# KiCad board MasterController.kicad_pcb (continued)
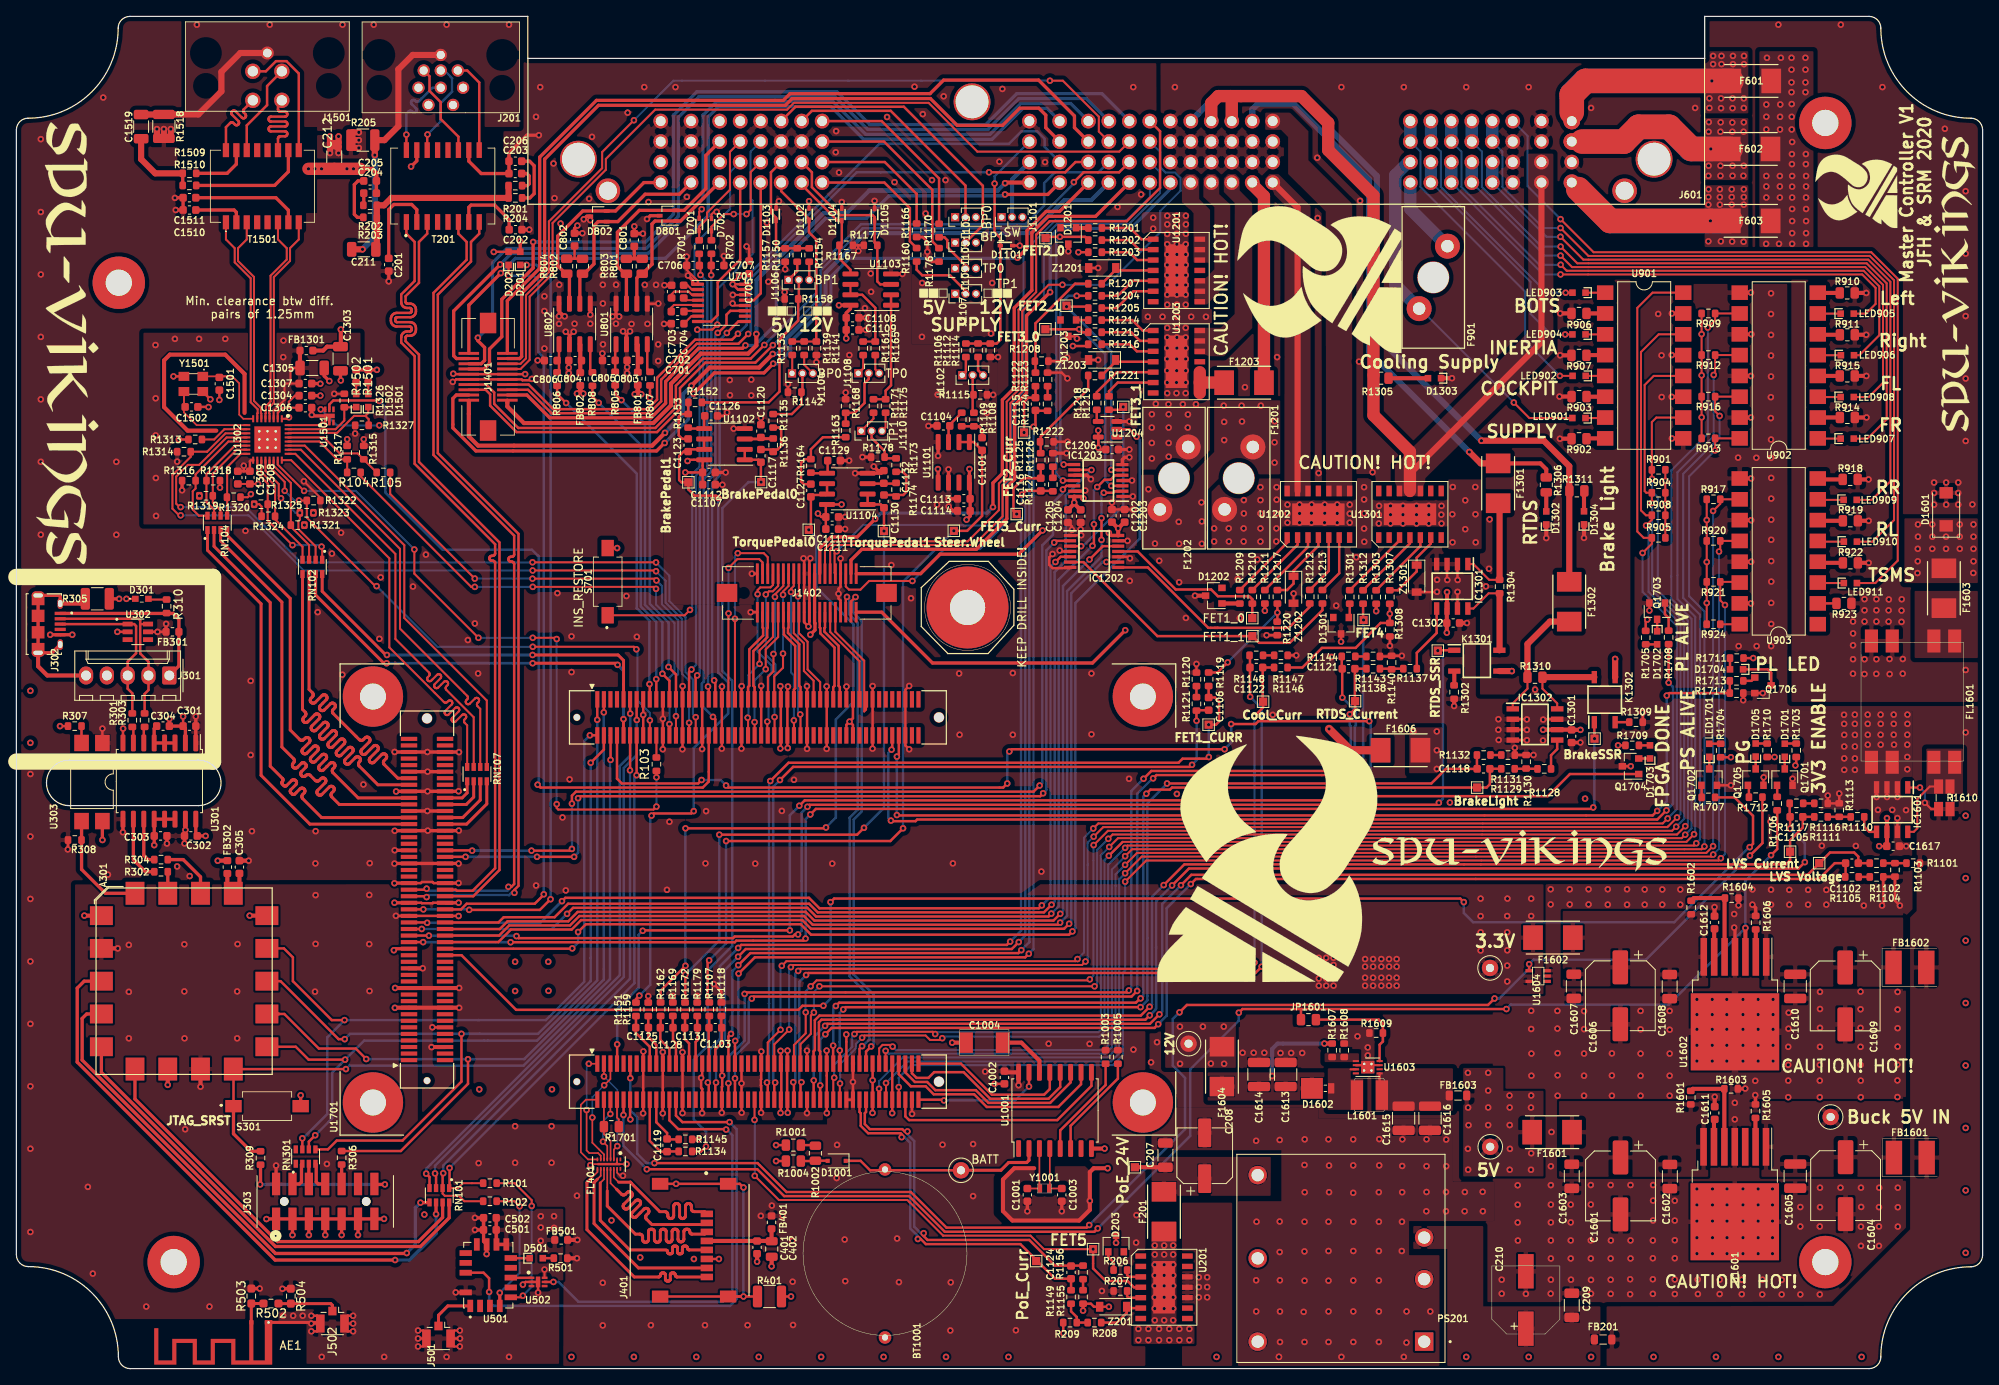
[diagram p0: board, top side]
## Placement (name value [footprint] x y rotation side) (continued)
R1147  420  [R_0603_1608Metric]  154.35 87.03 0 top
R1148  137  [R_0603_1608Metric]  151.34 87.03 0 top
R1149  137  [R_0603_1608Metric]  128.74 8.74 270 top
R1150  4.02k  [R_0603_1608Metric]  95.31 135.88 90 top
R1151  147  [R_0603_1608Metric]  75.62 43.84 90 top
R1152  8.66k  [R_0603_1608Metric]  82.85 117.9 0 top
R1153  8.66k  [R_0603_1608Metric]  82 115.65 90 top
R1154  11k  [R_0603_1608Metric]  96.77 135.88 90 top
R1155  2.94k  [R_0603_1608Metric]  130.2 8.75 270 top
R1156  137  [R_0603_1608Metric]  130.2 11.74 270 top
R1157  200k  [R_0603_1608Metric]  93.84 135.88 90 top
R1158  1k  [R_0603_1608Metric]  94.6 130.53 0 top
R1159  147  [R_0603_1608Metric]  77.12 43.84 90 top
R1160  2.1k  [R_0603_1608Metric]  109.88 135.91 270 top
R1161  4.02k  [R_0603_1608Metric]  103.36 124.5 90 top
R1162  147  [R_0603_1608Metric]  78.64 43.85 90 top
R1163  8.66k  [R_0603_1608Metric]  101.22 114.47 90 top
R1164  8.66k  [R_0603_1608Metric]  96.97 110.15 90 top
R1165  11k  [R_0603_1608Metric]  104.84 124.5 90 top
R1166  1.24k  [R_0603_1608Metric]  109.88 138.9 270 top
R1167  200k  [R_0603_1608Metric]  101.28 137.06 180 top
R1168  1k  [R_0603_1608Metric]  101.22 117.45 270 top
R1169  147  [R_0603_1608Metric]  80.12 43.85 90 top
R1170  1.24k  [R_0603_1608Metric]  112.62 138.88 270 top
R1171  4.02k  [R_0603_1608Metric]  104.62 117.46 90 top
R1172  147  [R_0603_1608Metric]  81.61 43.84 90 top
R1173  8.66k  [R_0603_1608Metric]  107.38 110.25 90 top
R1174  8.66k  [R_0603_1608Metric]  107.38 107.25 270 top
R1175  11k  [R_0603_1608Metric]  106.1 117.46 90 top
R1176  2.1k  [R_0603_1608Metric]  112.62 135.9 270 top
R1177  200k  [R_0603_1608Metric]  104.26 137.06 0 top
R1178  1k  [R_0603_1608Metric]  105.15 111.22 0 top
R1179  147  [R_0603_1608Metric]  83.11 43.84 90 top
R1201  33  [R_0603_1608Metric]  131.68 139.18 180 top
R1202  4.7k  [R_0603_1608Metric]  131.67 137.7 180 top
R1203  4.7k  [R_0603_1608Metric]  131.67 136.22 180 top
R1204  4.7k  [R_0603_1608Metric]  131.66 130.9 180 top
R1205  4.7k  [R_0603_1608Metric]  131.66 129.41 180 top
R1207  3.79k  [R_0603_1608Metric]  131.66 132.38 180 top
R1208  825  [R_0603_1608Metric]  125.14 122.93 0 top
R1209  33  [R_0603_1608Metric]  149.33 94.17 270 top
R1210  4.7k  [R_0603_1608Metric]  150.86 94.17 270 top
R1211  4.7k  [R_0603_1608Metric]  152.39 94.17 270 top
R1212  4.7k  [R_0603_1608Metric]  157.87 94.19 270 top
R1213  4.7k  [R_0603_1608Metric]  159.42 94.18 270 top
R1214  33  [R_0603_1608Metric]  131.66 127.94 180 top
R1215  4.7k  [R_0603_1608Metric]  131.66 126.46 180 top
R1216  4.7k  [R_0603_1608Metric]  131.65 124.99 180 top
R1217  9.42k  [R_0603_1608Metric]  153.92 94.17 270 top
R1218  4.7k  [R_0603_1608Metric]  131.87 117.82 270 top
R1219  4.7k  [R_0603_1608Metric]  133.36 117.82 270 top
R1220  2.05k  [R_0603_1608Metric]  153.9 90.31 270 top
R1221  3.79k  [R_0603_1608Metric]  131.65 121.18 180 top
R1222  825  [R_0603_1608Metric]  125.78 113.09 0 top
R1301  33  [R_0603_1608Metric]  162.75 94.16 270 top
R1302  270  [R_0603_1608Metric]  175.49 82.55 270 top
R1303  4.7k  [R_0603_1608Metric]  165.98 94.15 270 top
R1304  5.6  [R_0603_1608Metric]  181.04 95.42 90 top
R1305  4.12k  [R_0805_2012Metric]  166.57 120.85 0 top
R1306  4.12k  [R_0805_2012Metric]  186.74 107.84 270 top
R1307  2.37k  [R_0603_1608Metric]  167.64 94.15 270 top
R1308  510  [R_0603_1608Metric]  167.65 90.16 270 top
R1309  270  [R_0603_1608Metric]  197.69 78.88 0 top
R1310  0.75  [R_0805_2012Metric]  185.36 84.36 180 top
R1311  4.12k  [R_0805_2012Metric]  190.47 107.1 0 top
R1312  4.7k  [R_0603_1608Metric]  164.38 94.16 270 top
R1313  6.49k  [R_0603_1608Metric]  21.83 113.38 180 top
R1314  4.7k  [R_0603_1608Metric]  20.45 111.88 0 top
R1315  1k  [R_0603_1608Metric]  42.4 111.78 270 top
R1316  4.7k  [R_0603_1608Metric]  21.05 108.35 0 top
R1317  1k  [R_0603_1608Metric]  40.38 111.78 270 top
R1318  1k  [R_0603_1608Metric]  24.02 108.35 180 top
R1319  1k  [R_0603_1608Metric]  23.15 106.5 0 top
R1320  1k  [R_0603_1608Metric]  26.53 106.33 180 top
R1321  1k  [R_0603_1608Metric]  34.33 102.92 180 top
R1322  4.7k  [R_0603_1608Metric]  36.27 105.92 180 top
R1323  1k  [R_0603_1608Metric]  35.42 104.42 180 top
R1324  1k  [R_0603_1608Metric]  30.75 104 0 top
R1325  1k  [R_0603_1608Metric]  29.85 105.47 0 top
R1326  4.7k  [R_0603_1608Metric]  40.03 118.12 270 top
R1327  4.7k  [R_0603_1608Metric]  42.17 115.1 0 top
R1501  300  [C_0603_1608Metric]  41.47 121.1 270 top
R1502  300  [C_0603_1608Metric]  42.95 121.1 90 top
R1509  75  [R_0603_1608Metric]  21.12 145.85 180 top
R1510  75  [R_0603_1608Metric]  21.12 144.38 180 top
R1518  0  [R_1210_3225Metric]  18 151.57 90 top
R1601  11.3k  [R_0603_1608Metric]  204.38 33.06 90 top
R1602  10.7k  [R_0603_1608Metric]  204.43 56.26 90 top
R1603  2.15k  [R_0603_1608Metric]  209.3 34.14 0 top
R1604  3.4k  [R_0603_1608Metric]  209.38 57.42 0 top
R1605  1k  [R_0603_1608Metric]  212.28 31.41 90 top
R1606  1k  [R_0603_1608Metric]  212.3 54.41 90 top
R1607  1.65M  [R_0603_1608Metric]  160.6 38.84 270 top
R1608  187k  [R_0603_1608Metric]  162.07 38.84 90 top
R1609  1k  [R_0603_1608Metric]  165.97 40.95 180 top
R1610  0.01  [R_Shunt_Ohmite_LVK12]  235.32 69.65 180 top
R1701  0  [R_0805_2012Metric]  72.62 29.53 0 top
R1703  300  [R_0603_1608Metric]  217.25 75.45 90 top
R1704  300  [R_0603_1608Metric]  208.03 75.42 90 top
R1705  300  [R_0603_1608Metric]  198.88 89.2 270 top
R1706  100k  [R_0603_1608Metric]  214.93 68.95 270 top
R1707  50k  [R_0603_1608Metric]  206.53 69.7 0 top
R1708  100k  [R_0603_1608Metric]  201.68 89.22 270 top
R1709  420  [R_0603_1608Metric]  197.22 76.05 0 top
R1710  300  [R_0603_1608Metric]  213.7 75.45 90 top
R1711  300  [R_0603_1608Metric]  209.99 86.7 180 top
R1712  100k  [R_0603_1608Metric]  212.3 69.72 0 top
R1713  1k  [R_0603_1608Metric]  209.97 83.92 180 top
R1714  10k  [R_0603_1608Metric]  209.97 82.42 180 top
REF**  Fibox_255x180x63mm_enclosure  [Fibox_255x180x63mm_enclosure_shadow]  120 82.5 0 top
REF**#2  -  [MountingHole_4.3mm_M4_Large_Pad]  116.1 92.88 180 top
REF**#3  -  [MountingHole_3.2mm_M3_Pad]  220.8 13 270 top
REF**#4  -  [MountingHole_3.2mm_M3_Pad]  220.8 152 0 top
REF**#5  -  [MountingHole_3.2mm_M3_Pad]  19.2 13 0 top
REF**#6  -  [MountingHole_3.2mm_M3_Pad]  12.5 132.5 0 top
RN101  CAY16-000J4LF  [RESCAF80P320X160X60-8N]  51.62 21.15 270 top
RN102  CAY16-330J4LF  [RESCAF80P320X160X60-8N]  36.12 97.83 270 top
RN104  CAY16-330J4LF  [RESCAF80P320X160X60-8N]  24.52 103.2 90 top
RN107  CAY16-330J4LF  [RESCAF80P320X160X60-8N]  56.22 72.54 90 top
RN301  CAY16-101J4LF  [RESCAF80P320X160X60-8N]  35.3 25.88 90 top
S301  PTS636  [PTS636SK43SMTRLFS]  30.6 32.03 0 top
S701  PTS636  [PTS636SK43SMTRLFS]  72.17 96.03 90 top
T201  -  [Wurth_7490120110]  52.05 144.3 0 top
T1501  -  [Wurth_7490100111A]  30.02 144.12 0 top
TP201  TestPoint  [TestPoint_Pad_1.0x1.0mm]  136.53 24.57 90 top
TP202  TestPoint  [TestPoint_Pad_1.0x1.0mm]  131.43 14.57 90 top
TP1001  TestPoint  [TestPoint_Loop_D1.80mm_Drill1.0mm_Beaded]  115.3 24.2 180 top
TP1101  TestPoint  [TestPoint_Pad_1.0x1.0mm]  220.05 61.67 0 top
TP1102  TestPoint  [TestPoint_Pad_1.0x1.0mm]  114.43 102.22 180 top
TP1103  TestPoint  [TestPoint_Pad_1.0x1.0mm]  216.5 63.08 180 top
TP1104  TestPoint  [TestPoint_Pad_1.0x1.0mm]  145.53 78.58 180 top
TP1105  TestPoint  [TestPoint_Pad_1.0x1.0mm]  123 114.22 90 top
TP1106  TestPoint  [TestPoint_Pad_1.0x1.0mm]  122.1 104.28 90 top
TP1107  TestPoint  [TestPoint_Pad_1.0x1.0mm]  178.3 70.9 90 top
TP1108  TestPoint  [TestPoint_Pad_1.0x1.0mm]  90.9 108.17 270 top
TP1109  TestPoint  [TestPoint_Pad_1.0x1.0mm]  163.4 81.45 180 top
TP1110  TestPoint  [TestPoint_Pad_1.0x1.0mm]  152.18 81.38 180 top
TP1111  TestPoint  [TestPoint_Pad_1.0x1.0mm]  124.47 13.12 90 top
TP1112  TestPoint  [TestPoint_Pad_1.0x1.0mm]  82.03 108.15 180 top
TP1113  TestPoint  [TestPoint_Pad_1.0x1.0mm]  96.72 102.35 90 top
TP1114  TestPoint  [TestPoint_Pad_1.0x1.0mm]  105.9 102.2 180 top
TP1201  TestPoint  [TestPoint_Pad_1.0x1.0mm]  125.62 137.95 270 top
TP1202  TestPoint  [TestPoint_Pad_1.0x1.0mm]  128.18 129.7 0 top
TP1203  TestPoint  [TestPoint_Pad_1.0x1.0mm]  150.85 91.58 180 top
TP1204  TestPoint  [TestPoint_Pad_1.0x1.0mm]  150.86 89.38 180 top
TP1205  TestPoint  [TestPoint_Pad_1.0x1.0mm]  125.6 126.83 180 top
TP1206  TestPoint  [TestPoint_Pad_1.0x1.0mm]  135.1 117.35 90 top
TP1301  TestPoint  [TestPoint_Pad_1.0x1.0mm]  173.5 87.61 0 top
TP1302  TestPoint  [TestPoint_Pad_1.0x1.0mm]  164.44 91.35 180 top
TP1303  TestPoint  [TestPoint_Pad_1.0x1.0mm]  192.63 76.87 270 top
TP1601  TestPoint  [TestPoint_Loop_D1.80mm_Drill1.0mm_Beaded]  221.45 30.7 180 top
TP1602  TestPoint  [TestPoint_Loop_D1.80mm_Drill1.0mm_Beaded]  179.9 27.06 270 top
TP1603  TestPoint  [TestPoint_Loop_D1.80mm_Drill1.0mm_Beaded]  179.88 48.89 180 top
TP1604  TestPoint  [TestPoint_Loop_D1.80mm_Drill1.0mm_Beaded]  143.07 39.65 270 top
U201  BTT6010-1EKB  [PG-DSO-14-47]  140.09 9.93 270 top
U301  ADUM3160  [SOIC-16W_7.5x10.3mm_P1.27mm]  17.45 71.69 270 top
U302  PRTR5V0U4D  [SOP95P275X110-6N]  14.83 89.9 0 top
U303  LTV-817S  [SMDIP-4_W9.53mm]  9.23 71.58 270 top
U501  RN4871U-V_RM118  [RN4871U]  60.6 15.4 180 top
U502  -  [MIC826TYMT-TR]  63.67 10.57 0 top
U701  SN65C3221  [TSSOP-16_4.4x5mm_P0.65mm]  86.06 130.05 0 top
U801  SN65HVD235  [SOIC-8_3.9x4.9mm_P1.27mm]  75.1 127.47 90 top
U802  SN65HVD235  [SOIC-8_3.9x4.9mm_P1.27mm]  68.14 127.47 90 top
U901  LTV-847S  [SMDIP-16_W9.53mm]  198.69 122.4 0 top
U902  LTV-847S  [SMDIP-16_W9.53mm]  215.12 122.4 180 top
U903  LTV-847S  [SMDIP-16_W9.53mm]  215.12 99.72 180 top
U1001  CY14B256PA  [SOIC-16W_7.5x10.3mm_P1.27mm]  126.78 31.5 90 top
U1101  MCP6L02x-xSN  [SOIC-8_3.9x4.9mm_P1.27mm]  114.41 110.58 270 top
U1102  MCP6L02x-xSN  [SOIC-8_3.9x4.9mm_P1.27mm]  86.43 112.8 180 top
U1103  MCP6L02x-xSN  [SOIC-8_3.9x4.9mm_P1.27mm]  104.28 131.67 180 top
U1104  MCP6L02x-xSN  [SOIC-8_3.9x4.9mm_P1.27mm]  101.43 107.35 180 top
U1201  BTT6030-2EKA  [PG-DSO-14-40]  141.6 134 270 top
U1202  BTT6030-2EKA  [PG-DSO-14-40]  158.93 104.25 0 top
U1203  BTT6030-2EKA  [PG-DSO-14-40]  141.6 122.86 270 top
U1204  SN74LV1T34DBV  [SOT-23-5]  133.19 114.62 180 top
U1301  BTT6010-1EKB  [PG-DSO-14-47]  170.1 104.25 0 top
U1302  -  [KSZ8081MNX]  30.65 113.38 270 top
U1501  -  [MIC826TYMT-TR]  38.2 116.25 90 top
U1601  Wurth_171050601  [TO-263-7_TabPin8]  209.75 21.29 270 top
U1602  Wurth_171050601  [TO-263-7_TabPin8]  209.78 44.47 270 top
U1603  MCP1663  [TDFN-8-1EP_3x2mm_P0.5mm_EP1.80x1.65mm_ThermalVias]  164.95 36.78 0 top
U1604  LMS33460  [SC70-5]  184.65 47.25 270 top
U1701  PicoZed_7020  [PicoZed_7010-7020_Complete]  90.51 57.24 90 top
Y1001  32.768 kHz  [Crystal_SMD_Fox_FK161]  125.5 21.97 0 top
Y1501  ECS-250-18-33B-CKY-TR  [ECS-250-18-33B-CKY]  21.6 120.15 180 top
Z201  MMSZ5V6T3G  [D_SOD-123]  133.88 7.55 180 top
Z1201  MMSZ5V6T3G  [D_SOD-123]  132.54 134.3 180 top
Z1202  MMSZ5V6T3G  [D_SOD-123]  155.89 95.04 270 top
Z1203  MMSZ5V6T3G  [D_SOD-123]  132.52 123.08 180 top
Z1301  MMSZ5V6T3G  [D_SOD-123]  170.92 96.4 270 top

## Footprints (pads in the part's own frame, mm; a bottom-side part is the same pattern mirrored in y, then rotated)
150060SS55040
  rect 0.8x0.75 smd: 1(-0.8,0) 2(0.8,0)
Amphenol_10118194-0001LF
  rect 0.4x1.35 smd: 1(-1.3,2.7) 2(-0.65,2.7) 3(0,2.7) 4(0.65,2.7) 5(1.3,2.7)
  oval 0.775x1.55 hole 0.5x1.15: S1(-3.5,0) S1(3.5,0)
  oval 1.3x0.65 hole 0.85x0.55: S1(-2.5,2.7) S1(2.5,2.7)
  rect 1.5x1.55 smd: S1(-1,0) S1(1,0)
Battery_VL2020_20x3.2mm
  round 1.524 hole 0.762: 1(-10.25,0) 2(10.25,0)
C_0603_1608Metric
  rrect 0.9x0.95 smd: 1(-0.775,0) 2(0.775,0)
C_0805_2012Metric
  rrect 1x1.45 smd: 1(-0.95,0) 2(0.95,0)
C_1206_3216Metric
  rrect 1.15x1.8 smd: 1(-1.475,0) 2(1.475,0)
C_1210_3225Metric
  rrect 1.15x2.7 smd: 1(-1.475,0) 2(1.475,0)
C_2312_6032-28_Metric
  rect 1.7x2.5 smd: 1(-2.25,0) 2(2.25,0)
CP_Elec_8x11.9
  rrect 4.15x1.9 smd: 1(-3.475,0) 2(3.475,0)
CP_Elec_Wurth_WCAP-ASLL_8.3x8.3mm
  rect 4.2x1.9 smd: 1(-3.5,0) 2(3.5,0)
CP_Elec_Wurth_WCAP-PSLP_6.6x6.6mm
  rrect 3.5x1.6 smd: 1(-2.8,0) 2(2.8,0)
CPC1017N
  rect 1.5x0.65 smd: 1(-2.75,1.27) 2(-2.75,-1.27) 3(2.75,-1.27) 4(2.75,1.27)
Crystal_SMD_Fox_FK161
  rect 0.5x1 smd: 1(-0.55,0) 2(0.55,0)
CUI_PDQE15-Q24-S24-D
  rect 2.25x2.25 hole 1.5: 1(-10.16,10.16)
  round 2.25 hole 1.5: 2(-10.16,2.54) 3(-10.16,-2.54) 4(10.16,-10.16) 5(10.16,0) 6(10.16,10.16)
D_Powermite_AK
  rect 2.67x2.54 smd: 1(-0.699,0)
  rect 0.762x1.27 smd: 2(1.653,0)
D_SMA_Small-Pads
  rect 1.4x1.64 smd: 1(-2.015,0) 2(2.015,0)
D_SOD-123
  rect 0.9x1.2 smd: 1(-1.65,0) 2(1.65,0)
D_SOD-323F
  rect 0.5x0.5 smd: 1(-1.1,0) 2(1.1,0)
ECS-250-18-33B-CKY
  rect 1.3x1.1 smd: 1(-1.15,-0.925) 2(1.15,-0.925) 3(1.15,0.925) 4(-1.15,0.925)
JTAG-SMT3-NC
  rect 2.3x2.8 smd: 1(-8,-10.1) 2(-4,-10.1) 3(0,-10.1) 4(4,-10.1) 5(8,-10.1) 10(8,10.1) 11(4,10.1) 12(0,10.1) 13(-4,10.1) 14(-8,10.1)
  rect 2.8x2.3 smd: 6(10.725,-6) 7(10.725,-2) 8(10.725,2) 9(10.725,6) 15(-10.725,6) 16(-10.725,2) 17(-10.725,-2) 18(-10.725,-6)
KSZ8081MNX
  rect 0.85x0.25 smd: 1(-2.525,1.75) 2(-2.525,1.25) 3(-2.525,0.75) 4(-2.525,0.25) 5(-2.525,-0.25) 6(-2.525,-0.75) 7(-2.525,-1.25) 8(-2.525,-1.75) 17(2.525,-1.75) 18(2.525,-1.25) 19(2.525,-0.75) 20(2.525,-0.25) 21(2.525,0.25) 22(2.525,0.75) 23(2.525,1.25) 24(2.525,1.75)
  rect 0.25x0.85 smd: 9(-1.75,-2.525) 10(-1.25,-2.525) 11(-0.75,-2.525) 12(-0.25,-2.525) 13(0.25,-2.525) 14(0.75,-2.525) 15(1.25,-2.525) 16(1.75,-2.525) 25(1.75,2.525) 26(1.25,2.525) 27(0.75,2.525) 28(0.25,2.525) 29(-0.25,2.525) 30(-0.75,2.525) 31(-1.25,2.525) 32(-1.75,2.525)
  round 0.5 hole 0.3: 33(-1,1) 33(-1,0) 33(-1,-1) 33(0,1) 33(0,0) 33(0,-1) 33(1,1) 33(1,0) 33(1,-1)
  rect 3.2x3.2 smd: 33(0,0)
L_0603_1608Metric
  rrect 0.875x0.95 smd: 1(-0.787,0) 2(0.787,0)
L_0805_2012Metric
  rrect 0.875x1.2 smd: 1(-1.062,0) 2(1.062,0)
LittelfuseMiniBlade01530008Z
  round 3.9 hole 3.785: (0,0)
  round 3.048 hole 1.524: 1(-3.81,1.727) 2(3.81,-1.727)
Littlefuse_Nano_Clip
  rect 2.4x3 smd: 1(-2.43,0) 2(2.43,0)
MIC826TYMT-TR
  rect 0.7x0.3 smd: 1(-0.8,0.5) 2(-0.8,0) 3(-0.8,-0.5) 4(0.8,-0.5) 5(0.8,0) 6(0.8,0.5)
  rect 0.55x1.31 smd: 7(0,0)
Molex-47219-2001-0
  rect 0.8x1.5 smd: 1(3.205,-2.1) 2(2.105,-2.1) 3(1.005,-2.1) 4(-0.095,-2.1) 5(-1.195,-2.1) 6(-2.295,-2.1) 7(-3.395,-2.1) 8(-4.495,-2.1)
  rect 1.45x2 smd: S(-6.875,3.6) S(-6.875,-4.7) S(6.875,3.6) S(6.875,-4.7)
MOLEX_87832-1420
  round 1.05 hole 1.05 unplated: (0,5) (0,-5)
  rect 2.75x1 smd: 1(-2.13,6) 2(2.13,6) 3(-2.13,4) 4(2.13,4) 5(-2.13,2) 6(2.13,2) 7(-2.13,0) 8(2.13,0) 9(-2.13,-2) 10(2.13,-2) 11(-2.13,-4) 12(2.13,-4) 13(-2.13,-6) 14(2.13,-6)
Molex_528850274
  round 0.001 hole 0.95 unplated: (-4.51,0) (4.51,0)
  rect 0.35x2.5 smd: 1(-2.857,-2.35) 2(-2.857,2.35) 3(-2.223,-2.35) 4(-2.223,2.35) 5(-1.587,-2.35) 6(-1.587,2.35) 7(-0.952,-2.35) 8(-0.952,2.35) 9(-0.317,-2.35) 10(-0.317,2.35) 11(0.317,-2.35) 12(0.317,2.35) 13(0.953,-2.35) 14(0.953,2.35) 15(1.588,-2.35) 16(1.588,2.35) 17(2.223,-2.35) 18(2.223,2.35) 19(2.857,-2.35) 20(2.857,2.35)
  rect 2.5x2 smd: MP1(-6.56,0) MP2(6.56,0)
Molex_528850474
  round 0.001 hole 0.95 unplated: (-7.685,0)
  round 0.001 hole 0.75 unplated: (7.685,0)
  rect 0.35x2.5 smd: 1(-6.033,-2.35) 2(-6.033,2.35) 3(-5.398,-2.35) 4(-5.398,2.35) 5(-4.763,-2.35) 6(-4.763,2.35) 7(-4.128,-2.35) 8(-4.128,2.35) 9(-3.492,-2.35) 10(-3.492,2.35) 11(-2.858,-2.35) 12(-2.858,2.35) 13(-2.223,-2.35) 14(-2.223,2.35) 15(-1.588,-2.35) 16(-1.588,2.35) 17(-0.953,-2.35) 18(-0.953,2.35) 19(-0.318,-2.35) 20(-0.318,2.35) 21(0.317,-2.35) 22(0.317,2.35) 23(0.953,-2.35) 24(0.953,2.35) 25(1.587,-2.35) 26(1.587,2.35) 27(2.223,-2.35) 28(2.223,2.35) 29(2.857,-2.35) 30(2.857,2.35) 31(3.492,-2.35) 32(3.492,2.35) 33(4.127,-2.35) 34(4.127,2.35) 35(4.762,-2.35) 36(4.762,2.35) 37(5.397,-2.35) 38(5.397,2.35) 39(6.032,-2.35) 40(6.032,2.35)
  rect 2.5x2.2 smd: MP1(-9.735,0) MP2(9.735,0)
Molex_CMC_643330100_32+48+32pin
  round 4.5 hole 4 unplated: (-10.05,-2.85) (73.2,-9.85) (121.25,-2.85)
  round 3 hole 2.2 unplated: (-6.45,1) (117.65,1)
  round 1.8 hole 1.2: 1-A1(19.7,-7.5) 1-A2(19.7,-5) 1-A3(19.7,-2.5) 1-A4(19.7,0) 1-B1(17.2,-7.5) 1-B2(17.2,-5) 1-B3(17.2,-2.5) 1-B4(17.2,0) 1-C1(14.7,-7.5) 1-C2(14.7,-5) 1-C3(14.7,-2.5) 1-C4(14.7,0) 1-D1(12.2,-7.5) 1-D2(12.2,-5) 1-D3(12.2,-2.5) 1-D4(12.2,0) 1-E1(9.7,-7.5) 1-E2(9.7,-5) 1-E3(9.7,-2.5) 1-E4(9.7,0) 1-F1(7.2,-7.5) 1-F2(7.2,-5) 1-F3(7.2,-2.5) 1-F4(7.2,0) 1-G1(3.7,-7.5) 1-G2(3.7,-5) 1-G3(3.7,-2.5) 1-G4(3.7,0) 1-H1(0,-7.5) 1-H2(0,-5) 1-H3(0,-2.5) 1-H4(0,0) 2-A1(36.5,0) 2-A2(36.5,-2.5) 2-A3(36.5,-5) 2-A4(36.5,-7.5) 2-B1(39,0) 2-B2(39,-2.5) 2-B3(39,-5) 2-B4(39,-7.5) 2-C1(41.5,0) 2-C2(41.5,-2.5) 2-C3(41.5,-5) 2-C4(41.5,-7.5) 2-D1(44,0) 2-D2(44,-2.5) 2-D3(44,-5) 2-D4(44,-7.5) 2-E1(46.5,0) 2-E2(46.5,-2.5) 2-E3(46.5,-5) 2-E4(46.5,-7.5) 2-F1(49,0) 2-F2(49,-2.5) 2-F3(49,-5) 2-F4(49,-7.5) 2-G1(51.5,0) 2-G2(51.5,-2.5) 2-G3(51.5,-5) 2-G4(51.5,-7.5) 2-H1(54,0) 2-H2(54,-2.5) 2-H3(54,-5) 2-H4(54,-7.5) 2-J1(56.5,0) 2-J2(56.5,-2.5) 2-J3(56.5,-5) 2-J4(56.5,-7.5) 2-K1(59,0) 2-K2(59,-2.5) 2-K3(59,-5) 2-K4(59,-7.5) 2-L1(62.5,0) 2-L2(62.5,-2.5) 2-L3(62.5,-5) 2-L4(62.5,-7.5) 2-M1(66.2,0) 2-M2(66.2,-2.5) 2-M3(66.2,-5) 2-M4(66.2,-7.5) 3-A1(91.5,0) 3-A2(91.5,-2.5) 3-A3(91.5,-5) 3-A4(91.5,-7.5) 3-B1(94,0) 3-B2(94,-2.5) 3-B3(94,-5) 3-B4(94,-7.5) 3-C1(96.5,0) 3-C2(96.5,-2.5) 3-C3(96.5,-5) 3-C4(96.5,-7.5) 3-D1(99,0) 3-D2(99,-2.5) 3-D3(99,-5) 3-D4(99,-7.5) 3-E1(101.5,0) 3-E2(101.5,-2.5) 3-E3(101.5,-5) 3-E4(101.5,-7.5) 3-F1(104,0) 3-F2(104,-2.5) 3-F3(104,-5) 3-F4(104,-7.5) 3-G1(107.5,0) 3-G2(107.5,-2.5) 3-G3(107.5,-5) 3-G4(107.5,-7.5) 3-H1(111.2,0) 3-H2(111.2,-2.5) 3-H3(111.2,-5) 3-H4(111.2,-7.5)
MountingHole_3.2mm_M3_Pad
  round 6.4 hole 3.2: 1(0,0)
MountingHole_4.3mm_M4_Large_Pad
  round 10 hole 4.3: 1(0,0)
PG-DSO-14-40
  rect 2.9x1.025 smd: (-1.65,0.713) (-1.65,-0.713) (1.65,0.713) (1.65,-0.713)
  rect 0.65x1.31 smd: 1(-3.81,-2.845) 2(-2.54,-2.845) 3(-1.27,-2.845) 4(0,-2.845) 5(1.27,-2.845) 6(2.54,-2.845) 7(3.81,-2.845) 8(3.81,2.845) 9(2.54,2.845) 10(1.27,2.845) 11(0,2.845) 12(-1.27,2.845) 13(-2.54,2.845) 14(-3.81,2.845)
  rect 6.4x2.65 smd: Cool.Tab(0,0)
PG-DSO-14-47
  rect 2.9x1.025 smd: (-1.65,0.713) (-1.65,-0.713) (1.65,0.713) (1.65,-0.713)
  rect 0.65x1.31 smd: 1(-3.81,-2.845) 2(-2.54,-2.845) 3(-1.27,-2.845) 4(0,-2.845) 5(1.27,-2.845) 6(2.54,-2.845) 7(3.81,-2.845) 8(3.81,2.845) 9(2.54,2.845) 10(1.27,2.845) 11(0,2.845) 12(-1.27,2.845) 13(-2.54,2.845) 14(-3.81,2.845)
  rect 6.4x2.65 smd: Cool.Tab(0,0)
Phoenix_1432457_M12_4pin_D_Female_Angled
  round 0.001 hole 2.1 unplated: (-5.73,-1.77) (9.27,-1.77)
  round 0.001 hole 2.85 unplated: (-5.73,-5.77) (9.27,-5.77)
  round 1.875 hole 1.25: 1(0,0) 2(3.54,0) 3(3.54,-3.54) 4(0,-3.54)
  round 1.575 hole 1.05: 5(1.77,-5.77)
Phoenix_1437009_M12_8pin_A_Female_Angled
  round 0.001 hole 2.1 unplated: (-6,-2.1) (9,-2.1)
  round 0.001 hole 2.85 unplated: (-6,-6.1) (9,-6.1)
  round 1.5 hole 1: 1(0,0) 2(3,0) 3(4.22,-2.1) 4(3.58,-4.2) 5(1.5,-4.2) 6(-0.58,-4.2) 7(-1.22,-2.1) 8(1.5,-2.1) 9(1.5,-6.1)
PicoZed_7010-7020_Complete
  round 7.366 hole 3.175 unplated: (-24.765,46.99) (-24.765,-46.99) (24.765,46.99) (24.765,-46.99)
  round 0.9 hole 0.8 unplated: (-22.225,22.1) (-22.1,40.386) (22.225,22.1)
  round 1.3 hole 1.2 unplated: (-22.225,-22.1) (22.1,40.386) (22.225,-22.1)
  rect 2x0.5 smd: JX1.1(24.425,19.6) JX1.2(20.025,19.6) JX1.3(24.425,18.8) JX1.4(20.025,18.8) JX1.5(24.425,18) JX1.6(20.025,18) JX1.7(24.425,17.2) JX1.8(20.025,17.2) JX1.9(24.425,16.4) JX1.10(20.025,16.4) JX1.11(24.425,15.6) JX1.12(20.025,15.6) JX1.13(24.425,14.8) JX1.14(20.025,14.8) JX1.15(24.425,14) JX1.16(20.025,14) JX1.17(24.425,13.2) JX1.18(20.025,13.2) JX1.19(24.425,12.4) JX1.20(20.025,12.4) JX1.21(24.425,11.6) JX1.22(20.025,11.6) JX1.23(24.425,10.8) JX1.24(20.025,10.8) JX1.25(24.425,10) JX1.26(20.025,10) JX1.27(24.425,9.2) JX1.28(20.025,9.2) JX1.29(24.425,8.4) JX1.30(20.025,8.4) JX1.31(24.425,7.6) JX1.32(20.025,7.6) JX1.33(24.425,6.8) JX1.34(20.025,6.8) JX1.35(24.425,6) JX1.36(20.025,6) JX1.37(24.425,5.2) JX1.38(20.025,5.2) JX1.39(24.425,4.4) JX1.40(20.025,4.4) JX1.41(24.425,3.6) JX1.42(20.025,3.6) JX1.43(24.425,2.8) JX1.44(20.025,2.8) JX1.45(24.425,2) JX1.46(20.025,2) JX1.47(24.425,1.2) JX1.48(20.025,1.2) JX1.49(24.425,0.4) JX1.50(20.025,0.4) JX1.51(24.425,-0.4) JX1.52(20.025,-0.4) JX1.53(24.425,-1.2) JX1.54(20.025,-1.2) JX1.55(24.425,-2) JX1.56(20.025,-2) JX1.57(24.425,-2.8) JX1.58(20.025,-2.8) JX1.59(24.425,-3.6) JX1.60(20.025,-3.6) JX1.61(24.425,-4.4) JX1.62(20.025,-4.4) JX1.63(24.425,-5.2) JX1.64(20.025,-5.2) JX1.65(24.425,-6) JX1.66(20.025,-6) JX1.67(24.425,-6.8) JX1.68(20.025,-6.8) JX1.69(24.425,-7.6) JX1.70(20.025,-7.6) JX1.71(24.425,-8.4) JX1.72(20.025,-8.4) JX1.73(24.425,-9.2) JX1.74(20.025,-9.2) JX1.75(24.425,-10) JX1.76(20.025,-10) JX1.77(24.425,-10.8) JX1.78(20.025,-10.8) JX1.79(24.425,-11.6) JX1.80(20.025,-11.6) JX1.81(24.425,-12.4) JX1.82(20.025,-12.4) JX1.83(24.425,-13.2) JX1.84(20.025,-13.2) JX1.85(24.425,-14) JX1.86(20.025,-14) JX1.87(24.425,-14.8) JX1.88(20.025,-14.8) JX1.89(24.425,-15.6) JX1.90(20.025,-15.6) JX1.91(24.425,-16.4) JX1.92(20.025,-16.4) JX1.93(24.425,-17.2) JX1.94(20.025,-17.2) JX1.95(24.425,-18) JX1.96(20.025,-18) JX1.97(24.425,-18.8) JX1.98(20.025,-18.8) JX1.99(24.425,-19.6) JX1.100(20.025,-19.6) JX2.1(-20.025,19.6) JX2.2(-24.425,19.6) JX2.3(-20.025,18.8) JX2.4(-24.425,18.8) JX2.5(-20.025,18) JX2.6(-24.425,18) JX2.7(-20.025,17.2) JX2.8(-24.425,17.2) JX2.9(-20.025,16.4) JX2.10(-24.425,16.4) JX2.11(-20.025,15.6) JX2.12(-24.425,15.6) JX2.13(-20.025,14.8) JX2.14(-24.425,14.8) JX2.15(-20.025,14) JX2.16(-24.425,14) JX2.17(-20.025,13.2) JX2.18(-24.425,13.2) JX2.19(-20.025,12.4) JX2.20(-24.425,12.4) JX2.21(-20.025,11.6) JX2.22(-24.425,11.6) JX2.23(-20.025,10.8) JX2.24(-24.425,10.8) JX2.25(-20.025,10) JX2.26(-24.425,10) JX2.27(-20.025,9.2) JX2.28(-24.425,9.2) JX2.29(-20.025,8.4) JX2.30(-24.425,8.4) JX2.31(-20.025,7.6) JX2.32(-24.425,7.6) JX2.33(-20.025,6.8) JX2.34(-24.425,6.8) JX2.35(-20.025,6) JX2.36(-24.425,6) JX2.37(-20.025,5.2) JX2.38(-24.425,5.2) JX2.39(-20.025,4.4) JX2.40(-24.425,4.4) JX2.41(-20.025,3.6) JX2.42(-24.425,3.6) JX2.43(-20.025,2.8) JX2.44(-24.425,2.8) JX2.45(-20.025,2) JX2.46(-24.425,2) JX2.47(-20.025,1.2) JX2.48(-24.425,1.2) JX2.49(-20.025,0.4) JX2.50(-24.425,0.4) JX2.51(-20.025,-0.4) JX2.52(-24.425,-0.4) JX2.53(-20.025,-1.2) JX2.54(-24.425,-1.2) JX2.55(-20.025,-2) JX2.56(-24.425,-2) JX2.57(-20.025,-2.8) JX2.58(-24.425,-2.8) JX2.59(-20.025,-3.6) JX2.60(-24.425,-3.6) JX2.61(-20.025,-4.4) JX2.62(-24.425,-4.4) JX2.63(-20.025,-5.2) JX2.64(-24.425,-5.2) JX2.65(-20.025,-6) JX2.66(-24.425,-6) JX2.67(-20.025,-6.8) JX2.68(-24.425,-6.8) JX2.69(-20.025,-7.6) JX2.70(-24.425,-7.6) JX2.71(-20.025,-8.4) JX2.72(-24.425,-8.4) JX2.73(-20.025,-9.2) JX2.74(-24.425,-9.2) JX2.75(-20.025,-10) JX2.76(-24.425,-10) JX2.77(-20.025,-10.8) JX2.78(-24.425,-10.8) JX2.79(-20.025,-11.6) JX2.80(-24.425,-11.6) JX2.81(-20.025,-12.4) JX2.82(-24.425,-12.4) JX2.83(-20.025,-13.2) JX2.84(-24.425,-13.2) JX2.85(-20.025,-14) JX2.86(-24.425,-14) JX2.87(-20.025,-14.8) JX2.88(-24.425,-14.8) JX2.89(-20.025,-15.6) JX2.90(-24.425,-15.6) JX2.91(-20.025,-16.4) JX2.92(-24.425,-16.4) JX2.93(-20.025,-17.2) JX2.94(-24.425,-17.2) JX2.95(-20.025,-18) JX2.96(-24.425,-18) JX2.97(-20.025,-18.8) JX2.98(-24.425,-18.8) JX2.99(-20.025,-19.6) JX2.100(-24.425,-19.6)
  rect 0.5x2 smd: JX3.1(-19.6,42.586) JX3.2(-19.6,38.186) JX3.3(-18.8,42.586) JX3.4(-18.8,38.186) JX3.5(-18,42.586) JX3.6(-18,38.186) JX3.7(-17.2,42.586) JX3.8(-17.2,38.186) JX3.9(-16.4,42.586) JX3.10(-16.4,38.186) JX3.11(-15.6,42.586) JX3.12(-15.6,38.186) JX3.13(-14.8,42.586) JX3.14(-14.8,38.186) JX3.15(-14,42.586) JX3.16(-14,38.186) JX3.17(-13.2,42.586) JX3.18(-13.2,38.186) JX3.19(-12.4,42.586) JX3.20(-12.4,38.186) JX3.21(-11.6,42.586) JX3.22(-11.6,38.186) JX3.23(-10.8,42.586) JX3.24(-10.8,38.186) JX3.25(-10,42.586) JX3.26(-10,38.186) JX3.27(-9.2,42.586) JX3.28(-9.2,38.186) JX3.29(-8.4,42.586) JX3.30(-8.4,38.186) JX3.31(-7.6,42.586) JX3.32(-7.6,38.186) JX3.33(-6.8,42.586) JX3.34(-6.8,38.186) JX3.35(-6,42.586) JX3.36(-6,38.186) JX3.37(-5.2,42.586) JX3.38(-5.2,38.186) JX3.39(-4.4,42.586) JX3.40(-4.4,38.186) JX3.41(-3.6,42.586) JX3.42(-3.6,38.186) JX3.43(-2.8,42.586) JX3.44(-2.8,38.186) JX3.45(-2,42.586) JX3.46(-2,38.186) JX3.47(-1.2,42.586) JX3.48(-1.2,38.186) JX3.49(-0.4,42.586) JX3.50(-0.4,38.186) JX3.51(0.4,42.586) JX3.52(0.4,38.186) JX3.53(1.2,42.586) JX3.54(1.2,38.186) JX3.55(2,42.586) JX3.56(2,38.186) JX3.57(2.8,42.586) JX3.58(2.8,38.186) JX3.59(3.6,42.586) JX3.60(3.6,38.186) JX3.61(4.4,42.586) JX3.62(4.4,38.186) JX3.63(5.2,42.586) JX3.64(5.2,38.186) JX3.65(6,42.586) JX3.66(6,38.186) JX3.67(6.8,42.586) JX3.68(6.8,38.186) JX3.69(7.6,42.586) JX3.70(7.6,38.186) JX3.71(8.4,42.586) JX3.72(8.4,38.186) JX3.73(9.2,42.586) JX3.74(9.2,38.186) JX3.75(10,42.586) JX3.76(10,38.186) JX3.77(10.8,42.586) JX3.78(10.8,38.186) JX3.79(11.6,42.586) JX3.80(11.6,38.186) JX3.81(12.4,42.586) JX3.82(12.4,38.186) JX3.83(13.2,42.586) JX3.84(13.2,38.186) JX3.85(14,42.586) JX3.86(14,38.186) JX3.87(14.8,42.586) JX3.88(14.8,38.186) JX3.89(15.6,42.586) JX3.90(15.6,38.186) JX3.91(16.4,42.586) JX3.92(16.4,38.186) JX3.93(17.2,42.586) JX3.94(17.2,38.186) JX3.95(18,42.586) JX3.96(18,38.186) JX3.97(18.8,42.586) JX3.98(18.8,38.186) JX3.99(19.6,42.586) JX3.100(19.6,38.186)
PinHeader_1x03_P1.27mm_Vertical
  rect 1x1 hole 0.65: 1(0,0)
  oval 1x1 hole 0.65: 2(0,-1.27) 3(0,-2.54)
PTS636SK43SMTRLFS
  rect 2x1.5 smd: 1(-4.1,0) 2(4.1,0)
R_0603_1608Metric
  rrect 0.8x0.95 smd: 1(-0.825,0) 2(0.825,0)
R_0603_1608Metric_Pad0.98x0.95mm_HandSolder
  rrect 0.975x0.95 smd: 1(-0.912,0) 2(0.912,0)
R_0805_2012Metric
  rrect 1.025x1.4 smd: 1(-0.912,0) 2(0.912,0)
R_1210_3225Metric
  rrect 1.125x2.65 smd: 1(-1.462,0) 2(1.462,0)
R_Shunt_Ohmite_LVK12
  rect 1.1x1.75 smd: 1(-0.7,1.375) 2(0.7,1.375) 3(-0.7,-1.375) 4(0.7,-1.375)
RESCAF80P320X160X60-8N
  rect 0.97x0.53 smd: 1(-0.875,1.2) 2(-0.875,0.4) 3(-0.875,-0.4) 4(-0.875,-1.2) 5(0.875,-1.2) 6(0.875,-0.4) 7(0.875,0.4) 8(0.875,1.2)
RN4871U
  rect 0.7x1.5 smd: 1(5.2,7.75) 2(4,7.75) 3(2.8,7.75) 4(1.6,7.75) 10(0.8,0.25) 11(2,0.25) 12(3.2,0.25) 13(4.4,0.25)
  rect 1.5x0.7 smd: 5(0.25,6.7) 6(0.25,5.5) 7(0.25,4.3) 8(0.25,3.1) 9(0.25,1.9) 14(5.75,1.3) 15(5.75,2.5) 16(5.75,3.7) 17(5.75,6.1)
SC70-5
  rect 0.4x0.9 smd: 1(0,2.2) 2(-0.65,2.2) 3(-1.3,2.2) 4(-1.3,0) 5(0,0)
SMDIP-4_W9.53mm
  rect 2x1.78 smd: 1(-4.765,1.27) 2(-4.765,-1.27) 3(4.765,-1.27) 4(4.765,1.27)
SMDIP-16_W9.53mm
  rect 2x1.78 smd: 1(-4.765,8.89) 2(-4.765,6.35) 3(-4.765,3.81) 4(-4.765,1.27) 5(-4.765,-1.27) 6(-4.765,-3.81) 7(-4.765,-6.35) 8(-4.765,-8.89) 9(4.765,-8.89) 10(4.765,-6.35) 11(4.765,-3.81) 12(4.765,-1.27) 13(4.765,1.27) 14(4.765,3.81) 15(4.765,6.35) 16(4.765,8.89)
SN74LV4T125PWR
  rect 1.475x0.4 smd: 1(-2.938,1.95) 2(-2.938,1.3) 3(-2.938,0.65) 4(-2.938,0) 5(-2.938,-0.65) 6(-2.938,-1.3) 7(-2.938,-1.95) 8(2.938,-1.95) 9(2.938,-1.3) 10(2.938,-0.65) 11(2.938,0) 12(2.938,0.65) 13(2.938,1.3) 14(2.938,1.95)
SODFL1608X70N
  rect 0.64x0.42 smd: 1(-0.75,0) 2(0.75,0)
SOIC-8_3.9x4.9mm_P1.27mm
  rrect 1.95x0.6 smd: 1(-2.475,1.905) 2(-2.475,0.635) 3(-2.475,-0.635) 4(-2.475,-1.905) 5(2.475,-1.905) 6(2.475,-0.635) 7(2.475,0.635) 8(2.475,1.905)
SOIC-16W_7.5x10.3mm_P1.27mm
  rrect 2.05x0.6 smd: 1(-4.65,4.445) 2(-4.65,3.175) 3(-4.65,1.905) 4(-4.65,0.635) 5(-4.65,-0.635) 6(-4.65,-1.905) 7(-4.65,-3.175) 8(-4.65,-4.445) 9(4.65,-4.445) 10(4.65,-3.175) 11(4.65,-1.905) 12(4.65,-0.635) 13(4.65,0.635) 14(4.65,1.905) 15(4.65,3.175) 16(4.65,4.445)
SOP95P275X110-6N
  rect 1.22x0.58 smd: 1(-1.245,0.95) 2(-1.245,0) 3(-1.245,-0.95) 4(1.245,-0.95) 5(1.245,0) 6(1.245,0.95)
SOT-23
  rect 0.9x0.8 smd: 1(-1,0.95) 2(-1,-0.95) 3(1,0)
SOT-23-5
  rrect 1.325x0.6 smd: 1(-1.137,0.95) 2(-1.137,0) 3(-1.137,-0.95) 4(1.137,-0.95) 5(1.137,0.95)
SOT-323_SC-70
  rect 0.7x0.45 smd: 1(-1,0.65) 2(-1,-0.65) 3(1,0)
TDFN-8-1EP_3x2mm_P0.5mm_EP1.80x1.65mm_ThermalVias
  rect 0.75x0.25 smd: 1(-1.45,0.75) 2(-1.45,0.25) 4(-1.45,-0.75) 5(1.45,-0.75) 6(1.45,-0.25) 7(1.45,0.25) 8(1.45,0.75)
  trapezoid 0.75x0.25 smd: 3(-1.45,-0.25)
  round 0.65 hole 0.3: 9(-0.45,0.4) 9(-0.45,-0.4) 9(0.45,0.4) 9(0.45,-0.4)
  rect 1.6x1.5 smd: 9(0,0)
  rect 1.6x1.5 smd far side: 9(0,0)
TestPoint_Loop_D1.80mm_Drill1.0mm_Beaded
  round 2 hole 1: 1(0,0)
TestPoint_Pad_1.0x1.0mm
  rect 1x1 smd: 1(0,0)
Texas_SWRA117D_2.4GHz_Right
  rect 0.5x0.5 smd: 1(0,0)
  rect 0.9x0.5 hole 0.3: 2(-2.1,0)
TO-263-7_TabPin8
  rect 4.55x5.25 smd: (0.95,2.775) (0.95,-2.775) (5.8,2.775) (5.8,-2.775)
  rect 4.6x0.8 smd: 1(-5.775,3.81) 2(-5.775,2.54) 3(-5.775,1.27) 4(-5.775,0) 5(-5.775,-1.27) 6(-5.775,-2.54) 7(-5.775,-3.81)
  rect 9.4x10.8 smd: 8(3.375,0)
TSC2012IDT
  rect 1.525x0.65 smd: 1(-2.712,1.905) 2(-2.712,0.635) 3(-2.712,-0.635) 4(-2.712,-1.905) 5(2.712,-1.905) 6(2.712,-0.635) 7(2.712,0.635) 8(2.712,1.905)
TSSOP-16_4.4x5mm_P0.65mm
  rrect 1.475x0.4 smd: 1(-2.862,2.275) 2(-2.862,1.625) 3(-2.862,0.975) 4(-2.862,0.325) 5(-2.862,-0.325) 6(-2.862,-0.975) 7(-2.862,-1.625) 8(-2.862,-2.275) 9(2.862,-2.275) 10(2.862,-1.625) 11(2.862,-0.975) 12(2.862,-0.325) 13(2.862,0.325) 14(2.862,0.975) 15(2.862,1.625) 16(2.862,2.275)
U.FL_Hirose_U.FL-R-SMT-1_Vertical
  rect 1.05x1 smd: 1(-1.05,0)
  rect 2.2x1.05 smd: 2(0.475,1.475) 2(0.475,-1.475)
uQFN-16L
  rect 0.42x0.19 smd: (-0.575,1.4) (-0.575,1) (-0.575,0.6) (-0.575,0.2) (-0.575,-0.2) (-0.575,-0.6) (-0.575,-1) (-0.575,-1.4) (0.575,1.4) (0.575,1) (0.575,0.6) (0.575,0.2) (0.575,-0.2) (0.575,-0.6) (0.575,-1) (0.575,-1.4)
  rect 0.2x2.1 smd: (0,0)
  rect 0.45x0.2 smd: 1(-0.575,1.4) 2(-0.575,1) 3(-0.575,0.6) 4(-0.575,0.2) 5(-0.575,-0.2) 6(-0.575,-0.6) 7(-0.575,-1) 8(-0.575,-1.4) 9(0.575,-1.4) 10(0.575,-1) 11(0.575,-0.6) 12(0.575,-0.2) 13(0.575,0.2) 14(0.575,0.6) 15(0.575,1) 16(0.575,1.4)
  rect 0.3x2.8 smd: 17(0,0)
WE-UCF_1712_16.6x12.5mm
  rect 2.8x1.6 smd: 1(-7.4,5.08) 2(-7.4,2.54) 4(-7.4,-2.54) 5(-7.4,-5.08) 6(7.4,-5.08) 7(7.4,-2.54) 9(7.4,2.54) 10(7.4,5.08)
Wurth_150060BS75000
  rect 0.8x0.8 smd: 1(-0.8,0) 2(0.8,0)
Wurth_150060SS75000
  rect 0.8x0.8 smd: 1(-0.8,0) 2(0.8,0)
Wurth_150060VS75000
  rect 0.8x0.8 smd: 1(-0.8,0) 2(0.8,0)
Wurth_150060YS75000
  rect 0.8x0.8 smd: 1(-0.8,0) 2(0.8,0)
Wurth_7490100111A
  rect 0.76x1.7 smd: 1(-4.445,-4.25) 2(-3.175,-4.25) 3(-1.905,-4.25) 4(-0.635,-4.25) 5(0.635,-4.25) 6(1.905,-4.25) 7(3.175,-4.25) 8(4.445,-4.25) 9(4.445,4.55) 10(3.175,4.55) 11(1.905,4.55) 12(0.635,4.55) 13(-0.635,4.55) 14(-1.905,4.55) 15(-3.175,4.55) 16(-4.445,4.55)
